# Altium PCB 6sPwr.PcbDoc (part 1 of 2) (continued)
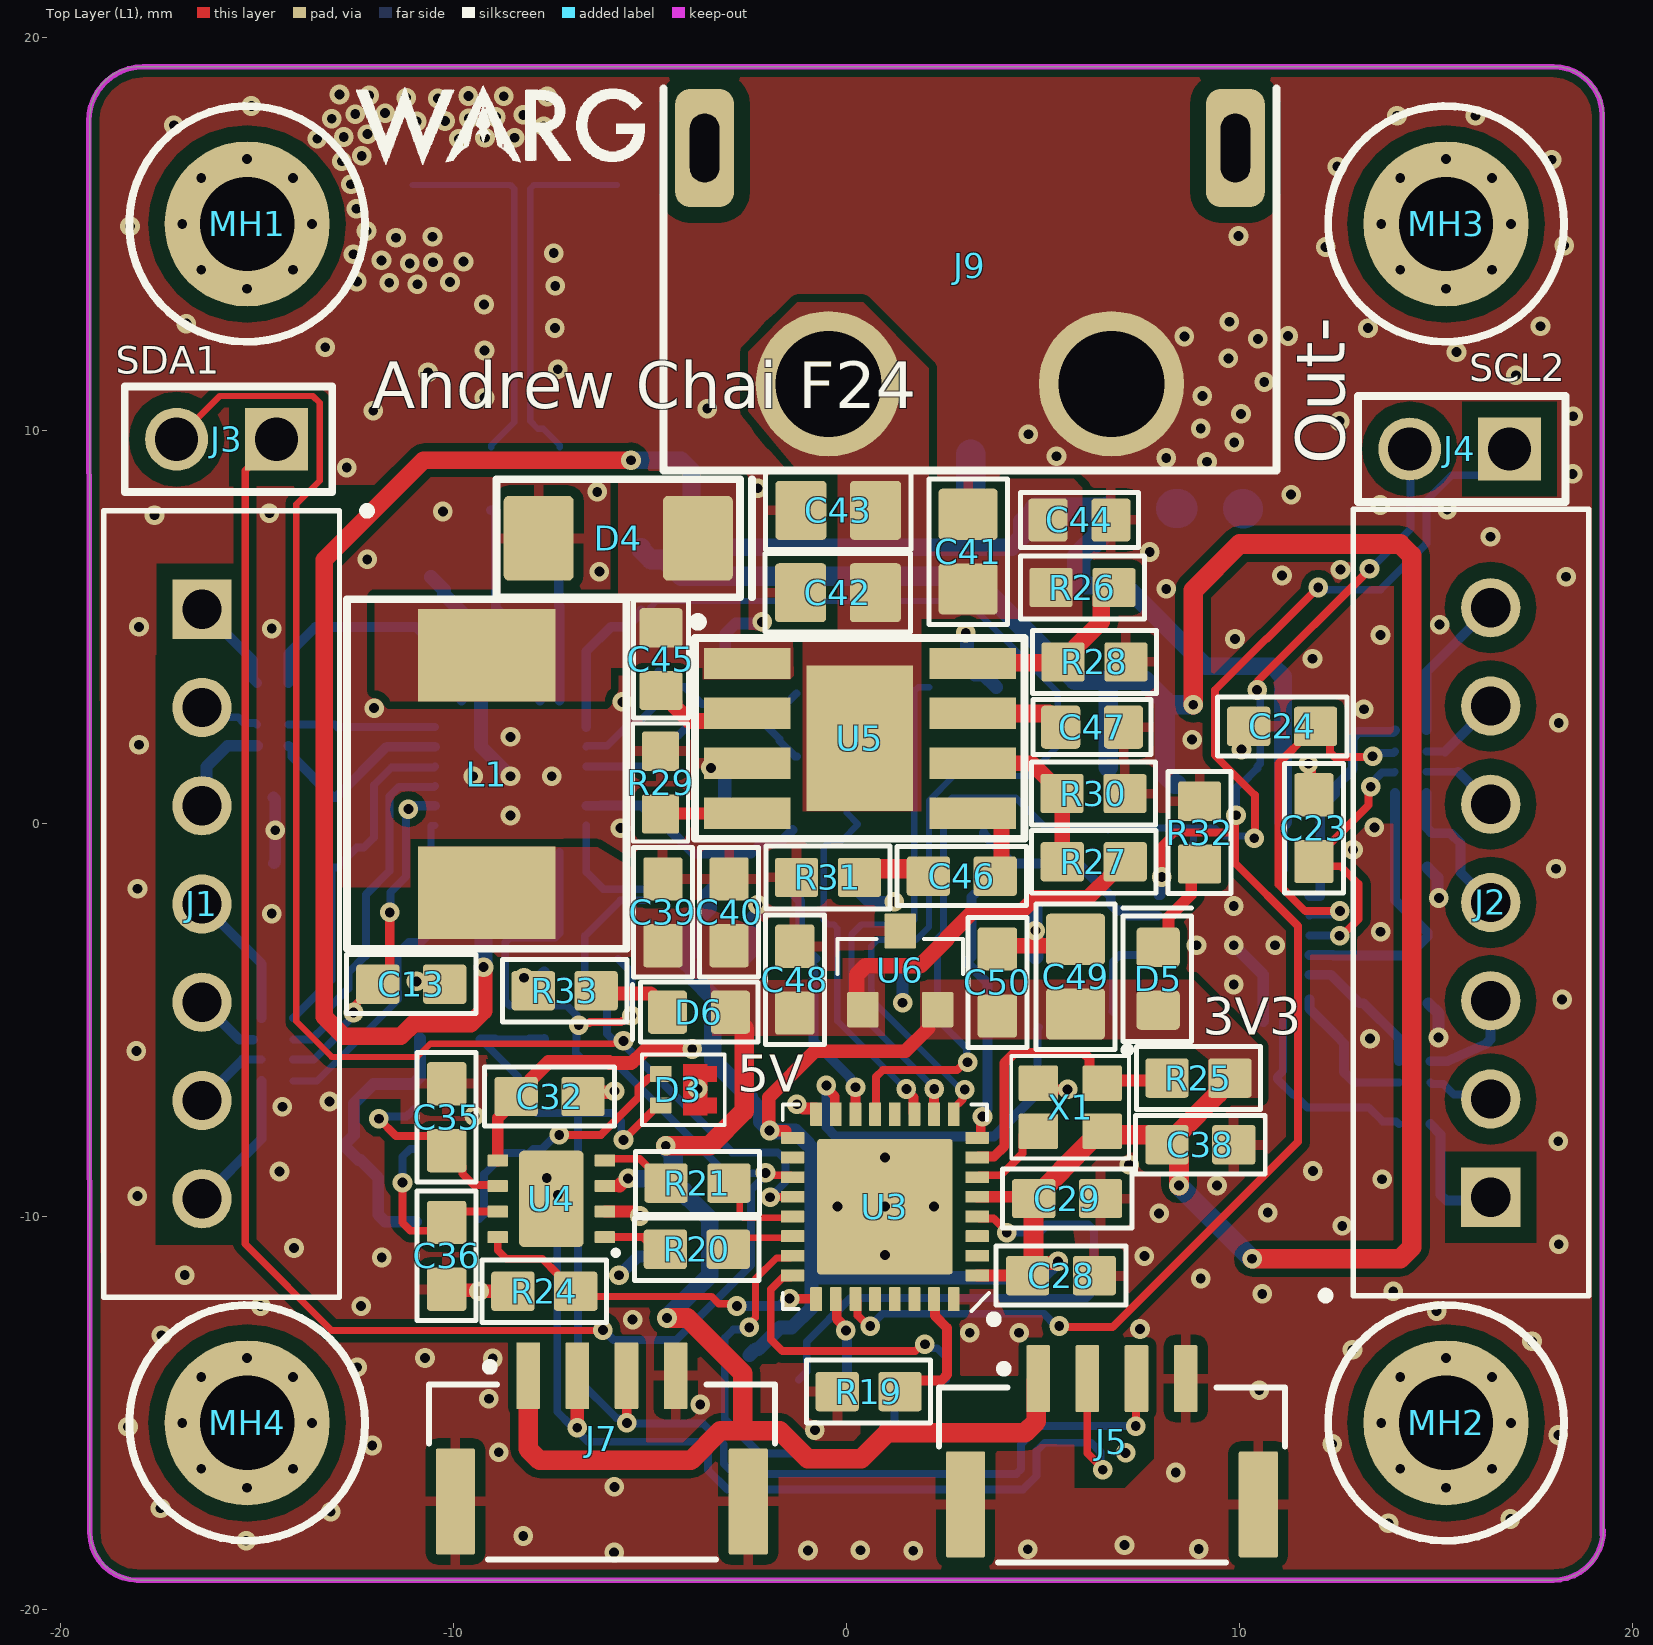
[diagram p0: Top Layer (L1) view]
## Components (designator, comment, footprint, x,y, rotation, side; value= is the part's Value field where it differs from the comment)
C1 "GRM188R6YA106MA73J" .CAP_0603-Footprint-1 7.526,8.01 r180 bottom value=10uF
C2 "GCM188R71C104KA37D" .CAP_0603-Footprint-1 -1.919,-3.436 r0 bottom value=0.1uF
C3 "GRT188R61H105KE13D" .CAP_0603-Footprint-1 -3.924,0.054 r180 bottom value=1uF
C4 "GCM188R71H104KA57D" CAP0603 -3.931,1.784 r180 bottom
C5 "GCM188R71C104KA37D" .CAP_0603-Footprint-1 0.291,-0.873 r90 bottom value=0.1uF
C6 "GCM188R71H104KA57D" CAP0603 -8.125,5.528 r0 bottom
C7 "UMK107B7474KA-TR" FP-0603-L_1_6_0_1-W_0_8_0-IPC_A -3.938,3.872 r180 bottom
C8 "GCM188R71C104KA37D" .CAP_0603-Footprint-1 2.955,3.465 r180 bottom value=0.1uF
C9 "GRT188R61H105KE13D" .CAP_0603-Footprint-1 -12.925,3.275 r270 bottom value=1uF
C10 "GRT188R61H105KE13D" .CAP_0603-Footprint-1 -13.727,0.656 r0 bottom value=1uF
C11 "GRT188R61H105KE13D" .CAP_0603-Footprint-1 -13.714,-1.015 r0 bottom value=1uF
C12 "GRT188R61H105KE13D" .CAP_0603-Footprint-1 -13.1,-3.4 r0 bottom value=1uF
C13 "GRT188R61H105KE13D" .CAP_0603-Footprint-1 -11.075,-4.09 r180 top value=1uF
C14 "GRT188R61H105KE13D" .CAP_0603-Footprint-1 -10.569,-2.997 r90 bottom value=1uF
C15 "GRT188R61H105KE13D" .CAP_0603-Footprint-1 -10.57,5.416 r270 bottom value=1uF
C16 "GRT188R61H105KE13D" .CAP_0603-Footprint-1 5.608,-1.844 r0 bottom value=1uF
C17 "GCM188R71C104KA37D" .CAP_0603-Footprint-1 2.314,-3.74 r0 bottom value=0.1uF
C18 "GCM188R71C104KA37D" .CAP_0603-Footprint-1 5.61,-3.488 r0 bottom value=0.1uF
C19 "GCM188R71C104KA37D" .CAP_0603-Footprint-1 5.528,-6.818 r180 bottom value=0.1uF
C20 "GRT188R61H105KE13D" .CAP_0603-Footprint-1 12.7,-7.225 r90 bottom value=1uF
C21 "GRT188R61H105KE13D" .CAP_0603-Footprint-1 13.953,-4.481 r180 bottom value=1uF
C22 "GRT188R61H105KE13D" .CAP_0603-Footprint-1 14.775,-1.975 r270 bottom value=1uF
C23 "GRT188R61H105KE13D" .CAP_0603-Footprint-1 11.889,-0.123 r270 top value=1uF
C24 "GRT188R61H105KE13D" .CAP_0603-Footprint-1 11.08,2.468 r0 top value=1uF
C25 "GRT188R61H105KE13D" .CAP_0603-Footprint-1 12.05,1.225 r270 bottom value=1uF
C26 "GRT188R61H105KE13D" .CAP_0603-Footprint-1 10.95,-7.3 r90 bottom value=1uF
C27 "GCM188R71C104KA37D" .CAP_0603-Footprint-1 -2.478,-6.151 r270 bottom value=100nF
C28 "GCM188R71C104KA37D" .CAP_0603-Footprint-1 5.455,-11.506 r180 top value=100nF
C29 "GRM188C81E475KE11D" .CAP_0603-Footprint-1 5.611,-9.544 r180 top value=4.7uF
C30 "CL10B104KA8NNNC" .CAP_0603-Footprint-1 5.075,-9.35 r270 bottom
C31 "CL10B104KA8NNNC" .CAP_0603-Footprint-1 -4.41,-9.968 r90 bottom
C32 "CL10B104KA8NNNC" .CAP_0603-Footprint-1 -7.556,-6.948 r180 top
C33 "CC0603JRNPO9BN220" .CAP_0603-Footprint-1 -7.692,-4.636 r270 bottom value=22pF
C34 "CC0603JRNPO9BN220" .CAP_0603-Footprint-1 -6.837,-10.329 r180 bottom value=22pF
C35 "CC0603JRNPO9BN220" .CAP_0603-Footprint-1 -10.175,-7.475 r270 top value=22pF
C36 "CC0603JRNPO9BN220" .CAP_0603-Footprint-1 -10.175,-11 r90 top value=22pF
C37 "GCM188R71H472KA37D" .CAP_0603-Footprint-1 -12.766,-9.014 r90 bottom value=4.7nF
C38 "CC0603KRX7R8BB103" .CAP_0603-Footprint-1 9,-8.175 r180 top
C39 "GCM188R71C104KA37D" .CAP_0603-Footprint-1 -4.672,-2.262 r270 top value=0.1uF
C40 "GRM188R61E106KA73J" .CAP_0603-Footprint-1 -2.99,-2.262 r270 top value=10uF
C41 "GRM21BR61H106KE43L" .CAP_0805-Footprint-1 3.09,6.914 r270 top value=10uF
C42 "GRM21BR61H106KE43L" .CAP_0805-Footprint-1 -0.22,5.868 r0 top value=10uF
C43 "GRM21BR61H106KE43L" .CAP_0805-Footprint-1 -0.213,7.964 r0 top value=10uF
C44 "GCM188R71H104KA57D" CAP0603 5.924,7.719 r180 top
C45 "GCM188R71H104KA57D" CAP0603 -4.723,4.179 r90 top
C46 "GCM188R72A332KA37D" .CAP_0603-Footprint-1 2.929,-1.342 r0 top value=3.3nF
C47 "GCM188R72A103KA37D" CAP0603 6.244,2.449 r180 top value=10nF
C48 "GRT188R61H105KE13D" .CAP_0603-Footprint-1 -1.318,-3.976 r270 top value=1uF
C49 "GRM21BR61H106KE43L" .CAP_0805-Footprint-1 5.824,-3.898 r270 top value=10uF
C50 "GCM188R71C104KA37D" .CAP_0603-Footprint-1 3.835,-4.047 r270 top value=0.1uF
D1 "MBR0540T1G" "Copy of .SCHOTTKY-Footprint-1" 3.154,11.03 r270 bottom
D2 "BZT52C30-13" BZT52C30-13-Footprint-1 7.553,6.053 r180 bottom
D3 "PESD2CANFD24U-QCZ" PESD2CANFD24U-QCZ-Footprint-1 -4.35,-6.775 r270 top
D4 "SK54A-LTP" DIOM4426X24N -5.809,7.254 r0 top
D5 "LTST-C191KGKT" .LED_0603-Footprint-1 7.925,-3.95 r90 top
D6 "LTST-C194TBKT" LTST-C194TBKT-Footprint-1 -3.756,-4.803 r180 top
FL1 "ACT1210D-510-2P-TL00" ACT1210D-510-2P-TL00-Footprint-1 -9.497,-7.781 r180 bottom
J1 "B7B-XH-A" B7B-XH-A -15.9,-2.05 r270 top
J2 "B7B-XH-A" B7B-XH-A 15.884,-2.012 r90 top
J3 "61300211121" 61300211121 -15.775,9.773 r180 top
J4 "61300211121" 61300211121 15.595,9.525 r180 top
J5 "SM04B-GHS-TB(LF)(SN)" CONN_SM04B-GHS-TB_JST 6.75,-16 r0 top
J6 "BM06B-GHS-TBT" BM06B-GHS-TBT-Footprint-1 0.655,-16.428 r180 bottom
J7 "SM04B-GHS-TB(LF)(SN)" CONN_SM04B-GHS-TB_JST -6.225,-15.926 r0 top
J8 "XT90_POWER_PAD" XT90_POWER_PAD-Footprint-1 3.192,16.112 r90 bottom
J9 "XT60PW-F" XT60PW-F-Footprint-1 3.138,11.18 r0 top
L1 "0630CDMCCDS-3R3MC" 0630CDMCCDS-3R3MC-Footprint-1 -9.153,1.256 r270 top
MH1 "M2HOLE-STANDARD" M2HOLE-STANDARD-Footprint-1 -15.25,15.25 r0 top
MH2 "M2HOLE-STANDARD" M2HOLE-STANDARD-Footprint-1 15.25,-15.25 r0 top
MH3 "M2HOLE-STANDARD" M2HOLE-STANDARD-Footprint-1 15.25,15.25 r0 top
MH4 "M2HOLE-STANDARD" M2HOLE-STANDARD-Footprint-1 -15.25,-15.25 r0 top
R1 "RC0603FR-07100RL" .RES_0603-Footprint-1#1 3.989,7.96 r0 bottom
R2 "AF0603FR-07330RL" .RES_0603-Footprint-1#1 -1.38,-0.969 r270 bottom value=330R
R3 "YC124JR-07100RL" .RES_0603-Footprint-1#2 -14.482,-5.755 r90 bottom value=100
R4 "RC0603JR-074K7L" .RES_0603-Footprint-1#1 -5.012,-3.448 r0 bottom value=4.7k
R5 "RC0603JR-074K7L" .RES_0603-Footprint-1#1 -3.993,-1.629 r0 bottom value=4.7k
R6 "AF0603FR-07330RL" .RES_0603-Footprint-1#1 -0.46,1.701 r0 bottom value=330R
R7 "YC124JR-07100RL" .RES_0603-Footprint-1#2 -14.6,2.775 r90 bottom value=100
R8 "AF0603FR-07330RL" .RES_0603-Footprint-1#1 -0.476,3.309 r0 bottom value=330R
R9 "RC0603FR-071KL" .RES_0603-Footprint-1#1 -9.043,8.766 r270 bottom value=1k
R10 "RC0603FR-071KL" .RES_0603-Footprint-1#1 -7.297,8.77 r270 bottom value=1k
R11 "RC0603FR-103K3L" .RES_0603-Footprint-1#1 -5.225,6.213 r90 bottom value=3k3
R12 "CSS2H-2512R-1L00F" .RES_0603-Footprint-1#3 -8.444,16.239 r0 bottom value=0.001
R13 "YC124JR-07100RL" .RES_0603-Footprint-1#2 14.35,1.57 r270 bottom value=100
R14 "AF0603FR-07330RL" .RES_0603-Footprint-1#1 3.259,-0.997 r270 bottom value=330R
R15 "RC0603JR-074K7L" .RES_0603-Footprint-1#1 6.653,0.631 r90 bottom value=4.7k
R16 "RC0603JR-074K7L" .RES_0603-Footprint-1#1 9.2,1 r180 bottom value=4.7k
R17 "AF0603FR-07330RL" .RES_0603-Footprint-1#1 5.697,-5.187 r180 bottom value=330R
R18 "YC124JR-07100RL" .RES_0603-Footprint-1#2 14.45,-6.85 r270 bottom value=100
R19 "RC0603FR-0710KL" .RES_0603-Footprint-1#1 0.56,-14.455 r0 top value=10k
R20 "RC0603FR-0710RL" .RES_0603-Footprint-1#1 -3.811,-10.833 r0 top value=10
R21 "RC0603FR-0710RL" .RES_0603-Footprint-1#1 -3.793,-9.151 r0 top value=10
R22 "RC0603FR-1360R4L" RES0603 -10.111,-5.495 r0 bottom value=60.4R
R23 "RC0603FR-1360R4L" RES0603 -10.153,-10.133 r0 bottom value=60.4R
R24 "RC0603FR-0710KL" .RES_0603-Footprint-1#1 -7.69,-11.902 r0 top value=10k
R25 "RC0603FR-0710KL" .RES_0603-Footprint-1#1 8.95,-6.48 r0 top value=10k
R26 "RC0603FR-0756K2L" .RES_0603-Footprint-1#1 6,6 r180 top value=56.2K
R27 "RC0603FR-0754K9L" .RES_0603-Footprint-1#1 6.287,-0.977 r0 top
R28 "RC0603FR-0710KL" .RES_0603-Footprint-1#1 6.305,4.107 r180 top value=10k
R29 "RC0603FR-0747KL" RC0603FR-0756K2L-Footprint-1 -4.733,1.039 r270 top value=47k
R30 "RC0603FR-0710KL" .RES_0603-Footprint-1#1 6.28,0.759 r180 top value=10k
R31 "RC0603FR-072K2L" .RES_0603-Footprint-1#1 -0.475,-1.375 r0 top value=2.2k
R32 "RC0603FR-07200RL" .RES_0603-Footprint-1#4 8.978,-0.234 r270 top
R33 "RC0603FR-07634RL" .RES_0603-Footprint-1#1 -7.171,-4.256 r0 top value=634
U1 "BQ76925RGER" QFN50P400X400X100_HS-25N -8.55,1.2 r0 bottom
U2 "BQ76925RGER" QFN50P400X400X100_HS-25N 9.85,-3.1 r180 bottom
U3 "STM32L431KCU6" STM32L431KCU6-Footprint-1 0.975,-9.75 r180 top
U4 "TJA1051TK/3,118" TJA1051TK_3,118-Footprint-1 -7.512,-9.55 r180 top
U5 "AOZ1284PI" AOZ1284PI-Footprint-1 0.338,2.162 r270 top
U6 "AP7375-33SA-7" AP7375-33SA-7-Footprint-1 1.365,-3.738 r0 top
X1 "ASDDV-8.000MHZ-LR-T" ASDDV-8.000MHZ-LR-T-Footprint-1 5.689,-7.222 r180 top

## Footprints (in the part's own frame and the unit in brackets; to place one, negate y for a bottom-side part, rotate by r counter-clockwise, add the part's x,y. Pads: shape width x height; smd on the part's side, far side on the other; paste and mask are expansions set on the pad)
0630CDMCCDS-3R3MC-Footprint-1 [mm]
  rect 2.35x3.5 smd: 1(-3.025,0) 2(3.025,0)
  silkscreen extent -4.45,-3.56 4.45,3.56, body extent -3.58,-3.4 3.58,3.4, height 3.05
61300211121 [mm] "Pin Header, pitch 2.54 mm, THT, Vertical, single row, 2p"
  rect 1.6x1.6 hole 1.1: 1(-1.27,0)
  round 1.6 hole 1.1: 2(1.27,0)
  silkscreen extent -2.69,-1.35 2.59,1.35, body extent -2.54,-1.27 2.54,1.27, height 8.55
.CAP_0603-Footprint-1 [mm]
  rrect15% 1.1x1 smd: 1(-0.85,0) 2(0.85,0)
  silkscreen extent -1.65,-0.75 1.65,0.75, body extent -0.87,-0.45 0.87,0.5, height 0.87
.CAP_0805-Footprint-1 [mm]
  rrect15% 1.3x1.5 smd: 1(-0.95,0) 2(0.95,0)
  silkscreen extent -1.85,-1 1.85,1, body extent -1.1,-0.7 1.1,0.75, height 1.39
.LED_0603-Footprint-1 [mm]
  rrect20% 1x1.1 smd: 1(-0.8,0) 2(0.8,0)
  silkscreen extent -1.6,-0.85 1.8,0.9, body extent -0.81,-0.4 0.81,0.4, height 0.6
.RES_0603-Footprint-1#1 [mm]
  rrect15% 1.1x1 smd: 1(-0.8,0) 2(0.8,0)
  silkscreen extent -1.58,-0.8 1.58,0.8, body extent -0.8,-0.4 0.8,0.4, height 0.46
.RES_0603-Footprint-1#2 [mm]
  rrect15% 0.45x0.45 smd mask+0.05: 1(-0.8,-0.4) 2(-0.8,0.4) 7(0.8,-0.4) 8(0.8,0.4)
  rrect15% 0.35x0.45 smd mask+0.05: 3(-0.255,-0.4) 4(-0.255,0.4) 5(0.255,-0.397) 6(0.255,0.407)
  silkscreen extent -1.26,-0.86 1.12,0.72, body extent -1,-0.5 1,0.5, height 0.55
.RES_0603-Footprint-1#3 [mm]
  rrect15% 1.8x3.4 smd: 1(-2.6,0) 2(2.6,0)
  silkscreen extent -3.7,-1.9 3.7,1.9, body extent -3.24,-1.61 3.24,1.61, height 0.86
.RES_0603-Footprint-1#4 [mm]
  rrect15% 1x1.1 smd: 1(-0.8,0) 2(0.8,0)
  silkscreen extent -1.55,-0.8 1.55,0.8, body extent -0.8,-0.4 0.8,0.4, height 0.46
ACT1210D-510-2P-TL00-Footprint-1 [mm]
  rrect10% 1.05x0.6 smd: 1(-1.525,0.5) 2(-1.525,-0.5) 3(1.525,-0.5) 4(1.525,0.5)
  silkscreen extent -1.6,-1.4 1.6,1.4, body extent -1.95,-1.25 1.95,1.25, height 2.5
AOZ1284PI-Footprint-1 [mm]
  rect 3.7x2.71 smd: 0(0,0)
  rect 0.8x2.2 smd: 1(-1.905,-2.87) 2(-0.635,-2.87) 3(0.635,-2.87) 4(1.905,-2.87) 5(1.905,2.87) 6(0.635,2.87) 7(-0.635,2.87) 8(-1.905,2.87)
  silkscreen extent -3.06,-4.22 2.55,4.19, body extent -2.45,-3 2.45,3, height 1.7
AP7375-33SA-7-Footprint-1 [mm] "IC REG LIN 3.3V 300MA SOT23-3"
  rrect10% 0.8x0.9 smd mask+0.05: 1(-0.95,-1) 2(0.95,-1) 3(0,1)
  silkscreen extent -1.6,-0.1 1.6,0.8, body extent -1.5,-1.24 1.5,1.24, height 1.09
ASDDV-8.000MHZ-LR-T-Footprint-1 [mm]
  rrect10% 1x0.9 smd: 1(-0.813,-0.613) 2(0.813,-0.613) 3(0.813,0.613) 4(-0.813,0.613)
  silkscreen extent -1.53,-1.54 1.5,1.3, body extent -1.25,-1 1.25,1, height 0.91
B7B-XH-A [mm]
  rect 1.508x1.508 hole 1: 1(-7.5,-0.5)
  round 1.508 hole 1: 2(-5,-0.5) 3(-2.5,-0.5) 4(0,-0.5) 5(2.5,-0.5) 6(5,-0.5) 7(7.5,-0.5)
  silkscreen extent -10.1,-3 10,3.8, body extent -9.95,-2.88 9.95,2.88, height 7
BM06B-GHS-TBT-Footprint-1 [mil]
  rrect10% 26x71 smd paste+0: 1(123.03,91.58) 2(73.82,91.58) 3(24.61,91.58) 4(-24.61,91.58) 5(-73.82,91.58) 6(-123.03,91.58)
  rrect10% 39x110 smd paste-55: 7(-195.87,-40.31) 8(195.87,-40.31)
  silkscreen extent -216,-89 260,95, body extent -212,-84 212,111, height 166
BZT52C30-13-Footprint-1 [mm]
  rect 0.9x0.95 smd: 1(-1.8,0) 2(1.8,0)
  silkscreen extent -2.77,-0.92 2.5,0.8, body extent -1.93,-0.69 1.92,0.66, height 0.81
CAP0603 [mm] "Generic CAP 0603 Footprint"
  rrect20% 1x1.1 smd: 1(-0.8,0) 2(0.8,0)
  silkscreen extent -1.5,-0.7 1.5,0.7, body extent -0.88,-0.48 0.88,0.47, height 0.87
CONN_SM04B-GHS-TB_JST [mm]
  rrect10% 0.6x1.7 smd: 1(-1.875,1.876) 2(-0.625,1.876) 3(0.625,1.876) 4(1.875,1.876)
  rrect10% 1x2.7 smd: 5(-3.725,-1.324) 6(3.725,-1.324)
  silkscreen extent -4.4,-2.8 4.4,2.22, body extent -4.13,-2.55 4.13,2.3, height 4.25
"Copy of .SCHOTTKY-Footprint-1" [mm]
  rect 0.91x1.22 smd: 1(-1.635,0) 2(1.635,0)
  body extent -1.93,-0.9 1.93,0.9, height 1.35
DIOM4426X24N [mm] "Molded Diode, 2-Leads, Body 4.38x2.59mm, IPC Medium Density"
  rrect15% 1.78x2.16 smd: 1(-2.025,0) 2(2.025,0)
  silkscreen extent -3.1,-1.5 3.4,1.5, body extent -2.6,-1.29 2.6,1.29, height 2.44
FP-0603-L_1_6_0_1-W_0_8_0-IPC_A [mm]
  rrect15% 1.1x1 smd: 1(-0.85,0) 2(0.85,0)
  silkscreen extent -1.65,-0.75 1.65,0.75, body extent -0.87,-0.45 0.87,0.5, height 0.87
LTST-C194TBKT-Footprint-1 [mm]
  rrect20% 1x1.1 smd: 1(-0.8,0) 2(0.8,0)
  silkscreen extent -1.51,-0.76 1.69,0.76, body extent -0.81,-0.4 0.81,0.4, height 0.6
M2HOLE-STANDARD-Footprint-1 [mm]
  round 4.2 hole 2.4: 1(0,0)
  silkscreen extent -3,-3 3,3
PESD2CANFD24U-QCZ-Footprint-1 [mm]
  rrect10% 0.4x0.55 smd: 1(0.4,-0.375) 2(-0.4,-0.375)
  round 0.025 smd: 3(0,0.5)
  Top Layer (L1) region: -0.6,1.05 -0.6,0.8 -0.65,0.8 -0.65,0.2 0.65,0.2 0.65,0.8 0.6,0.8 0.6,1.05 0.2,1.05 0.2,0.8 -0.2,0.8 -0.2,1.05
  silkscreen extent -0.9,-0.85 0.9,1.25, body extent -0.7,-0.4 0.7,0.82, height 1.59
QFN50P400X400X100_HS-25N [mm] "QFN, 24-Leads, Body 4.00x4.00mm, Pitch 0.50mm, Thermal Pad 2.63x2.63mm, IPC Medium Density"
  rect 0.85x0.25 smd mask+0.075: 1(-1.925,1.25) 2(-1.925,0.75) 3(-1.925,0.25) 4(-1.925,-0.25) 5(-1.925,-0.75) 6(-1.925,-1.25) 13(1.925,-1.25) 14(1.925,-0.75) 15(1.925,-0.25) 16(1.925,0.25) 17(1.925,0.75) 18(1.925,1.25)
  rect 0.25x0.85 smd mask+0.075: 7(-1.25,-1.925) 8(-0.75,-1.925) 9(-0.25,-1.925) 10(0.25,-1.925) 11(0.75,-1.925) 12(1.25,-1.925) 19(1.25,1.925) 20(0.75,1.925) 21(0.25,1.925) 22(-0.25,1.925) 23(-0.75,1.925) 24(-1.25,1.925)
  rect 2.63x2.63 smd mask+0.075: 25(0,0)
  silkscreen extent -2.97,-2.2 2.2,2.2, body extent -2.1,-2.1 2.1,2.1, height 1
RC0603FR-0756K2L-Footprint-1 [mm]
  rrect15% 1x0.95 smd: 1(-0.8,0) 2(0.8,0)
  silkscreen extent -1.5,-0.7 1.5,0.7, body extent -0.8,-0.4 0.8,0.4, height 0.46
RES0603 [mm] "SMT Resistor 0603"
  rrect15% 1x1.1 smd: 1(-0.8,0) 2(0.8,0)
  silkscreen extent -1.5,-0.7 1.5,0.7, body extent -0.8,-0.4 0.8,0.4, height 0.46
STM32L431KCU6-Footprint-1 [mm]
  rrect10% 0.6x0.3 smd: 1(-2.35,1.75) 2(-2.35,1.25) 3(-2.35,0.75) 4(-2.35,0.25) 5(-2.35,-0.25) 6(-2.35,-0.75) 7(-2.35,-1.25) 8(-2.35,-1.75) 17(2.35,-1.75) 18(2.35,-1.25) 19(2.35,-0.75) 20(2.35,-0.25) 21(2.35,0.25) 22(2.35,0.75) 23(2.35,1.25) 24(2.35,1.75)
  rrect10% 0.3x0.6 smd: 9(-1.75,-2.35) 10(-1.25,-2.35) 11(-0.75,-2.35) 12(-0.25,-2.35) 13(0.25,-2.35) 14(0.75,-2.35) 15(1.25,-2.35) 16(1.75,-2.35) 25(1.75,2.35) 26(1.25,2.35) 27(0.75,2.35) 28(0.25,2.35) 29(-0.25,2.35) 30(-0.75,2.35) 31(-1.25,2.35) 32(-1.75,2.35)
  rrect5% 3.45x3.45 smd paste-2539.97: 33(0,0)
  silkscreen extent -2.87,-2.6 2.6,2.96, body extent -2.5,-2.5 2.5,2.5, height 0.61
TJA1051TK_3,118-Footprint-1 [mm]
  rrect15% 0.525x0.3 smd: 1(-1.362,0.975) 2(-1.362,0.325) 3(-1.362,-0.325) 4(-1.362,-0.975) 5(1.362,-0.975) 6(1.362,-0.325) 7(1.362,0.325) 8(1.362,0.975)
  rrect15% 1.65x2.45 smd: 9(0,0)
  silkscreen extent -1.7,1.31 -1.57,1.44, body extent -1.5,-1.5 1.5,1.5, height 1.01
XT60PW-F-Footprint-1 [mm] "XT60PW-F-Footprint-1"
  round 3.7 hole 2.7: 1(-3.6,0) 2(3.6,0)
  rrect50% 1.5x3 hole 0.75 slot 1.75 at 90 deg: MH0(-6.75,6) MH1(6.75,6)
  silkscreen extent -7.8,-2.2 7.8,7.52, body extent -7.75,-1.8 7.75,15.4, height 8.4
XT90_POWER_PAD-Footprint-1 [mm]
  rect 4.5x4.5 smd: 1(0,3.25) 2(0,-3.25)
  silkscreen extent -2.75,-6 2.75,6

## Part data
C1: library part CMP-001-00087-1, "Ceramic Capacitor, Multilayer, Ceramic, 35V, 20% +Tol, 20% -Tol, X5R, 15% TC, 10uF, Surface Mount, 0603", Capacitor Type=Ceramic, Case/Package=0603, Max Operating Temperature=85°C, Min Operating Temperature=-55°C, Package Shape=Rectangular, Rated DC Voltage (URdc)=35V, Temperature Characteristics Code=X5R, Tolerance  (fill in as +-)=20%, Dielectric Material=Ceramic, JESD-609 Code=e3, Mounting Technology="Surface Mount", Multilayer=Yes, Packaging="Tape and Reel", Pins=2, Reach SVHC Compliant=Yes, RoHS Compliant=Yes, Terminal Finish=Nickel, Termination=Wraparound, Tolerance (fill in as +-)=20%
C2 C5 C8 C17 C18 C19 C39 C50: library part CMP-001-00020-5, "CAP CER 0.1uF 16V X7R 0603", Capactitance=0.1uF, Package=0603, Temperature Coefficient=X7R, Voltage=16V
C3 C9 C10 C11 C12 C13 C14 C15 C16 C20 C21 C22 C23 C24 C25 C26 C48: library part CMP-00096-3, "CAP CER 1UF 50V X5R 0603", Capacitance=1uF, Capacitor Type=Ceramic, Case/Package=0603, Dielectric=X5R, Rated DC Voltage (URdc)=50V, Tolerance=10%, Mount="Surface Mount", Temperature Characteristics Code=X5R, Voltage Rating=50V
C4 C6 C44 C45: library part CMP-00047-2, "CAP CER 0.1uF 50V X7R 0603", Capacitance=0.1uF, Case Code (Imperial)=0603, Dielectric=X7R, Tolerance=10%, Voltage=50V, Mount="Surface Mount"
C7: library part CMP-00012-3, "0603 0.47 uF 50 V ±10% Tolerance X7R Multilayer Ceramic Capacitor", Capacitance=470nF, Case Code (Imperial)=0603, Case Code (Metric)=1608, Dielectric=X7R, Max Operating Temperature=125°C, Min Operating Temperature=-55°C, Package Quantity=1, Tolerance=10%, Voltage=50V, Case/Package=0603, Construction=Flat, Depth=0.8mm, Halogen Free="Halogen Free", Height=0.8mm, Lead Free="Lead Free", Length=1.6mm, Mount="Surface Mount", Packaging="Tape and Reel", Radiation Hardening=No, RoHS Compliant=Yes, Series=M, Termination=SMD/SMT, Thickness=0.035inch, Voltage Rating=50V, Voltage Rating (DC)=50V, Width=0.031inch
C27 C28: library part CMP-001-00003-8, "CAP CER 100nF 16V X7R 0603", Capacitance=100nF, Package=0603, Voltage=16V
C29: library part CMP-001-00002-10, "CAP CER 4.7uF 25V X6S 0603", Capacitance=4.7uF, Dielectric=X6S, Package=0603, Voltage=25V
C30 C31 C32: library part CMP-00057-2, "CAP CER 0.1UF 25V X7R 0603", Capacitance=100nF, Case/Package=0603, Dielectric=X7R, Tolerance=10%, Voltage Rating=25V
C33 C34 C35 C36: library part CMP-00246-2, "CAP CER 22PF 50V C0G/NPO 0603", Case/Package=0603, Temperature Coefficient=C0G,NP0, Tolerance=5%, Voltage Rating=50V
C37: library part CMP-001-00080-1, "CAP CER 4700PF 50V X7R 0603", Capacitor Type=Ceramic, Case/Package=0603, Max Operating Temperature=125°C, Min Operating Temperature=-55°C, Package Shape=Rectangular, Package Style=SMTMeter, Rated DC Voltage (URdc)=50V, Temperature Characteristics Code=X7R, Tolerance  (fill in as +-)=10%, Dielectric Material=Ceramic, Height=0.9mm, JESD-609 Code=e3, Length=1.6mm, Mounting Technology="Surface Mount", Multilayer=Yes, Packaging="Tape and Reel", Pins=2, Reach SVHC Compliant=Yes, Reference Standard=AEC-Q200, RoHS Compliant=Yes, Terminal Finish=Nickel, Termination=Wraparound, Tolerance (fill in as +-)=10%, Width=0.8mm
C38: library part CMP-00217-1, "CAP CER 10nF 25V X7R 0603", Capacitance=10nF, Package=0603, Temperature Coefficient=X7R, Voltage Rating=25V
C40: library part CMP-00056-4, "CAP CER 10UF 25V X5R 0603", Case/Package=0603, Temperature Coefficient=X5R, Voltage Rating=25V
C41 C42 C43 C49: library part CMP-001-00009-4, "CAP CER 10uF 50V X5R 0805", Capacitance=10uF, Dielectric=X5R, Package=0805, Voltage=50V, Voltage Rating=50V
C46: library part CMP-001-00086-1, "Ceramic Capacitor, Multilayer, Ceramic, 100V, 10% +Tol, 10% -Tol, X7R, 15% TC, 0.0033uF, Surface Mount, 0603", Capacitor Type=Ceramic, Case/Package=0603, Max Operating Temperature=125°C, Min Operating Temperature=-55°C, Package Shape=Rectangular, Package Style=SMTMeter, Rated DC Voltage (URdc)=100V, Temperature Characteristics Code=X7R, Tolerance  (fill in as +-)=10%, Dielectric Material=Ceramic, Height=0.9mm, JESD-609 Code=e3, Length=1.6mm, Mounting Technology="Surface Mount", Multilayer=Yes, Packaging="Tape and Reel", Pins=2, Reach SVHC Compliant=Yes, Reference Standard=AEC-Q200, RoHS Compliant=Yes, Terminal Finish=Nickel, Termination=Wraparound, Tolerance (fill in as +-)=10%, Width=0.8mm
C47: library part CMP-00247-1, "CAP CER 10000PF 100V X7R 0603", Rated DC Voltage (URdc)=100V, Temperature Characteristics Code=X7R, Tolerance=10%
D1: library part CMP-004-00020-1, "DIODE SCHOTTKY 40V 500MA SOD123", Forward Voltage=620mV, Max Operating Temperature=150°C, Max Output current=500mA, Min Operating Temperature=-55°C, Non-rep Pk Forward Current-Max=5.5A, Package Body Material=Plastic, Package Shape=Rectangular, Package Style="SMALL OUTLINEMeter", Peak Reflow Temperature (Cel)=260°C, Rep Pk Reverse Voltage-Max=40V, Time @ Peak Reflow Temperature-Max (s)=40s, Additional Feature="FREE WHEELING DIODE", Diode Element Material=SILICON, Diode Type=RECTIFIER, JESD-30 Code=R-PDSO-G2, JESD-609 Code=e3, Moisture Sensitivity Level=1, Number of Elements=1, Pins=2, Qualification Status="Not Qualified", Reach SVHC Compliant=Yes, RoHS Compliant=Yes, Surface Mount=Yes, Technology=SCHOTTKY, Terminal Finish=Tin, Terminal Form="Gull Wing", Terminal Position=DUAL
D2: library part CMP-004-00021-1, "Zener Diode, 30V V(Z), 6.67%, 0.5W, Silicon, Unidirectional", Max Operating Temperature=150°C, Max Power Dissipation=500mW, Min Operating Temperature=-65°C, Package Body Material=Plastic, Package Shape=Rectangular, Package Style="SMALL OUTLINEMeter", Peak Reflow Temperature (Cel)=235°C, Reference Voltage-Nom=30V, Test Current=2mA, Time @ Peak Reflow Temperature-Max (s)=10s, Voltage Tol-Max=6.67%, Diode Element Material=SILICON, Diode Type=ZENER, JESD-30 Code=R-PDSO-G2, JESD-609 Code=e0, Number of Elements=1, Pins=2, Polarity=Unidirectional, Qualification Status="Not Qualified", RoHS Compliant=No, Surface Mount=Yes, Technology=ZENER, Terminal Finish=Tin, Terminal Form="Gull Wing", Terminal Position=DUAL
D3: library part CMP-00239-5, "TVS DIODE 24VWM 43VC DFN1412D-3"
D4: library part CMP-00102-3, "Diode Schottky 40V 5A 2-Pin SMA T/R", Average Rectified Current=5A, Case/Package=SMA, Max Reverse Voltage (DC)=40V
D5: library part CMP-001-00018-6, "LED GREEN 2V 0603", Case/Package=0603, Color=Green, Forward Current=20mA, Forward Voltage=2V
D6: library part CMP-00017-2, "LED BLUE CLEAR 0603 SMD", Case Code (Imperial)=0603, Case Code (Metric)=1608, Color=Blue, Forward Current=20mA, Forward Voltage=2.8V, Lens Color=Colorless, Max Operating Temperature=80°C, Min Operating Temperature=-20°C, Package Quantity=5000, Power Dissipation=76mW, Reverse Voltage=5V, Test Current=5mA, Voltage=29V, Case/Package=0603, Depth=0.8mm, Dominant Wavelength=473nm, Height=0.65mm, Illumination Color=Blue, Lead Free="Lead Free", Length=1.6mm, Lens Size=0.8mm, Lens Style=Flat,Diffused,Colorless,Rectangular, Lens Transparency=Clear, Luminous Intensity=15mcd, Mount="Surface Mount", Number of Elements=1, Number of LEDs=1, Number of Pins=2, Packaging="Tape and Reel", Radiation Hardening=No, RoHS Compliant=Yes, Series=-, Viewing Angle=130°, Width=0.8mm
FL1: library part CMP-00243-2, "CMC 50UH 115MA 2LN 2.3KOHM SMD"
J1 J2: library part CMP-002-00021-4, "Header B7B-XH-A, 2.50mm, 7-contacts, top entry, THT /500/box", Package=None, Check_prices=https://www.snapeda.com/parts/S5B-XH-A/JST+Sales+America+Inc./view-part/?ref=eda, Component Type=Standard, Design Item ID=B7B-XH-A, MF="JST Sales", MP=B7B-XH-A, Pin Count=7
J3 J4: library part CMP-00165-2, "CONN HEADER VERT 2POS 2.54MM", Operating Temperature Range="-40°C ~ 105°C", Mounting Type=TH
J5 J7: library part CMP-068-000000-3, "Conn Shrouded Header HDR 4 POS 1.25mm Solder RA SMD Reel", Mfr_Name=JST, Design Item ID=SM04B-GHS-TB(LF)(SN), RefDes=RefDes, Source=SM04B-GHS-TB_LF__SN_.SchLib, Type=Type
J6: library part CMP-002-00014-7, "Connector Header Surface Mount 6 position 0.049\" (1.25mm)", Mfr Name=JST, Design Item ID=BM06B-GHS-TBT
J8: library part CMP-001-0016-1, "XT90_POWER_PAD, 4.5mm Square Pad, 6.5mm Pitch"
J9: library part CMP-00086-5, "Board Mount XT60PW-F 2 Pin Female Connector", Manufacturer=TME
L1: library part CMP-006-00015-1, "General Purpose Inductor, 3.3uH, 20%, 1 Element, SMD", Current=8.4A, DC Resistance=22m, Inductance=3.3uH, Inductor Type="GENERAL PURPOSE INDUCTOR", Saturation Current=11.4A, Tolerance="+/- 20%", RoHS Compliant=Yes
MH1 MH2 MH3 MH4: library part CMP-00092-5, "RFC in progress (Dimensions currently unapproved)", Annular Ring Diameter=4.2mm, Through Hole Diameter=2.4mm
R1: library part CMP-00022-3, "RES 100 OHM 1% 1/10W 0603", Case Code (Imperial)=0603, Case Code (Metric)=1608, Max Operating Temperature=155°C, Max Power Dissipation=100mW, Min Operating Temperature=-55°C, Power Rating=1/10W, Resistance=100, Resistance Tolerance=1%, Resistor Type="Thick Film", Temperature Coefficient=100ppm/°C, Voltage Rating=50V, Case/Package=0603, Construction=Rectangular, Depth=0.8mm, Features="Moisture Resistant", Height=0.45mm, Lead Free="Lead Free", Length=1.6mm, Military Standard=Not, Number of Pins=2, Number of Terminations=2, Packaging="Tape and Reel", REACH SVHC=Unknown, RoHS Compliant=Yes, Series=RC, Size Code=0603, Technology="THICK FILM", Termination=SMD/SMT, Tolerance=1%, Voltage Rating (DC)=50V, Width=0.8mm
R2 R6 R8 R14 R17: library part CMP-009-00099-1, "Fixed Resistor, Metal Glaze/thick Film, 0.1W, 330ohm, 75V, 1% +/-Tol, 100ppm/Cel, Surface Mount, 0603", Case/Package=0603, Max Operating Temperature=155°C, Min Operating Temperature=-55°C, Package Height=0.45mm, Package Length=1.6mm, Package Style=SMTMeter, Package Width=0.8mm, Power=1/10W, Rated Temperature=70°C, Resistance=330, Resistor Type="FIXED RESISTOR", Temperature Coefficient=100ppm/°C, Tolerance=1%, Working Voltage=75V, Additional Feature=ANTI-SULFUR, Construction=Rectangular, Mounting Technology="Surface Mount", Package=0603, Packaging="Tape and Reel", Pins=2, Reach SVHC Compliant=Yes, Reference Standard=AEC-Q200, RoHS Compliant=Yes, Termination=Wraparound
R3 R7 R13 R18: library part CMP-009-00095-1, "YC124 Series 4 Elements 100 Ohms 5 % Case 4 x 0402 SMD Chip Resistor Network", Package=0804, Power=62.5mW, Resistance=100, Tolerance=5%
R4 R5 R15 R16: library part CMP-009-00019-3, "RES 4.7K OHM 5% 1/10W 0603", Case/Package=0603, Power Rating=1/10W, Resistance=4.7k, Resistance Tolerance=5%, Voltage Rating (DC)=50V
R9 R10: library part CMP-009-00012-3, "RES 1k OHM 1% 1/10W 0603", Case/Package=0603, Power=1/10W, Tolerance=1%
R11: library part CMP-00168-2, "RES 3.3K OHM 1% 1/10W 0603", Case/Package=0603, Power=1/10W, Rated Temperature=70°C, Tolerance=1%, Working Voltage=75V
R12: library part CMP-009-00094-1, "Fixed Resistor, Metal Strip, 5W, 0.001ohm, 1% +/-Tol, 50ppm/Cel, Surface Mount, 2512", Case/Package=2512, Max Operating Temperature=170°C, Min Operating Temperature=-55°C, Package Height=0.42mm, Package Length=6.35mm, Package Shape=Rectangular, Package Style=SMTMeter, Package Width=3.05mm, Power=5W, Resistance=0.001, Resistor Type="FIXED RESISTOR", Temperature Coefficient=50ppm/°C, Tolerance=1%, Construction=Rectangular, Package=2512, Packaging="Tape and Reel", Pins=2, Reach SVHC Compliant=Yes, RoHS Compliant=Yes, Technology="METAL ALLOY"
R19 R24 R25 R28 R30: library part CMP-009-00006-4, "RES 10K OHM 1% 1/10W 0603", Package=0603, Power=1/10W, Resistance=10k, Tolerance=1%
R20 R21: library part CMP-009-00084-1, "RES 10 OHM 1% 1/10W 0603", Package=0603, Power=1/10W, Resistance=10, Tolerance=1%
R22 R23: library part CMP-00245-1, "RES 60.4 OHM 1% 1/10W 0603", Power=100mW, Tolerance=1%
R26: library part CMP-009-00046-1, "RES 56.2K OHM 1% 1/10W 0603", Package=0603, Power=1/10W, Resistance=56.2k, Tolerance=1%
R27: library part CMP-001-00025-1, "RES 54.9k OHM 1% 1/10@ 0603", Case/Package=0603, Power Rating=1/10W, Resistance=54.9k, Tolerance=1%, Voltage Rating=50V
R29: library part CMP-009-00091-1, "RES 47K OHM 1% 1/10W 0603", Case/Package=0603, Max Operating Temperature=155°C, Min Operating Temperature=-55°C, Package Height=0.45mm, Package Length=1.6mm, Package Shape=Rectangular, Package Style=SMTMeter, Package Width=0.8mm, Power=1/10W, Rated Temperature=70°C, Resistor Type="FIXED RESISTOR", Temperature Coefficient=100ppm/°C, Tolerance=1%, Working Voltage=75V, Additional Feature="LASER TRIMMABLE", Construction=Chip, JESD-609 Code=e3, Mounting Technology="Surface Mount", Packaging="Tape and Reel", Pins=2, Reach SVHC Compliant=Yes, RoHS Compliant=Yes, Technology="METAL GLAZE/THICK FILM", Terminal Finish=Nickel, Termination=Wraparound
R31: library part CMP-009-00022-2, "RES 2.2K OHM 0603 1/10W", Case/Package=0603, Max Power Dissipation=1/10W, Resistance Tolerance=1%, Voltage Rating=50V
R32: library part CMP-00103-1, "RES 200 OHM 1% 1/10W 0603", Case/Package=0603, Power Rating=100mW, Resistance=200, Tolerance=1%, Voltage Rating=50V
R33: library part CMP-00251-1, "RES 634 OHM 1% 1/10W 0603", Case/Package=0603, Power=100mW, Tolerance=1%
U1 U2: library part CMP-00274-1, "Power Supply Support Circuit, Adjustable, 1 Channel, PQCC24", Case/Package=HVQCCN, Max Operating Temperature=85°C, Max Supply Voltage=26.4V, Min Operating Temperature=-25°C, Min Supply Voltage=4.2V, Nominal Supply Voltage=21.6V, Package Body Material=Plastic, Package Equivalence Code=LCC24,.16SQ,20, Package Shape=Square, Package Style="CHIP CARRIER, HEAT SINK/SLUG, VERY THIN PROFILEMeter", Peak Reflow Temperature (Cel)=260°C, Power Supplies=4.2/26.4V, Supply Current-Max (Isup)=48uA, Temperature Grade=OTHER, Adjustable Threshold=Yes, Channels=1, Height - Seated (Max)=1mm, JESD-30 Code=R-PDSO-G20, JESD-609 Code=e4, Length=4mm, Moisture Sensitivity Level=2, Number of Channels=1, Pins=24, Qualification Status="Not Qualified", Reach SVHC Compliant=Yes, RoHS Compliant=Yes, Surface Mount=Yes, Terminal Finish=Nickel, Terminal Form="No Lead", Terminal Pitch=0.5mm, Terminal Position=QUAD, Throw Configuration="POWER SUPPLY SUPPORT CIRCUIT", Width=4mm
U3: library part CMP-00224-5, "IC MCU 32BIT 256KB FLSH 32UFQFPN"
U4: library part CMP-00219-3, "IC TRANSCEIVER HALF 1/1 8HVSON"
U5: library part CMP-00257-2, "IC REG BUCK ADJUSTABLE 4A 8SO", Manufacturer 1="Alpha & Omega Semiconductor Inc.", Supplier Part Number 1=785-1689-1-ND, Manufacturer Part Number 1=AOZ1284PI, Supplier 1=Digikey
U6: library part CMP-002-000009-1, "IC REG LIN 3.3V 300MA SOT23-3", Current - Output=300mA, Current - Quiescent (Iq)="5 µA", Operating Temperature="-40°C ~ 125°C (TJ)", Supplier Device Package=SOT-23-3, Voltage - Input (Max)=45V, Voltage - Output (Min/Fixed)=3.3V, Voltage Dropout (Max)="0.36V @ 100mA", Output Type=Fixed
X1: library part CMP-00242-3, "OSC XO 8.000MHZ CMOS SMD", Frequence Stability=25ppm, Frequency=8MHz

## Via types
v1: diameter 0.5, hole 0.25, Top Layer (L1) to Bottom Layer (L4), tented both sides, 302 vias

## Nets (pads, with @x,y where several pads share a name; then routed paths per layer and width w, separated by ;. In a path a pad name is that pad's centre, name@x,y a point inside that pad or via, vN(x,y) a via of type N, cw(c..) or ccw(c..) an arc to the next point about the centre after c; other vN are vias at no path point)
+3V3: C27.2 C28.2 C29.2 C32.2 C38.2 C49.2 C50.2 D5.1 J6.1 R4.2 R5.2 R11.2 R15.2 R16.2 R25.2 U3.1 U3.5 U3.17 U4.5 U6.2 X1.4 | length 101.9
  Top Layer (L1) w0.3: U4.5@-8.874,-8.575 -8.874,-7.498 C32.2@-8.326,-6.949 ; v1(-1.958,-7.813) -1.549,-7.824 ; U3.1@3.325,-11.5 3.554,-11.5 4.45,-11.5 C28.2@4.525,-11.575 ; U3.5@3.325,-9.5 C29.2@4.625,-9.5
  Top Layer (L1) w0.35: C32.2@-8.406,-6.948 -8.356,-6.948 -8.031,-6.623 -8.031,-6.517 -7.587,-6.073 -6.044,-6.073 -6.019,-6.098 -5.476,-6.098 -5.378,-6 -5.36,-6 -5.11,-5.75 -3.937,-5.75 v1(-3.925,-5.738) ; v1@-1.98,-7.791 -1.98,-6.973 -0.802,-5.794 1.501,-5.794 2.09,-5.206 2.09,-4.963 U6.2@2.315,-4.738 ; C28.2@4.525,-11.575 4.754,-11.346 4.919,-11.181 5.204,-11.181 5.213,-11.172 5.347,-11.172 v1(5.376,-11.143)
  Top Layer (L1) w0.5: C28.2@4.754,-11.346 C29.2@4.754,-9.629 ; C29.2@4.765,-9.544 4.811,-9.544 5.061,-9.294 5.061,-9.248 5.473,-8.835 5.473,-8.813 X1.4@6.251,-8.034 ; X1.4@6.3,-7.925 7.9,-7.925 C38.2@8.15,-8.175 C38.2@8.2,-8.175 ; v1(8.457,-9.21) 8.457,-8.482 8.45,-8.475 8.45,-8.425 C38.2@8.2,-8.175 ; v1(8.818,3.019) 8.818,5.929 9.997,7.108 14.083,7.108 14.376,6.815 14.376,-10.784 14.083,-11.077 v1(10.315,-11.077) ; R25.2@9.75,-6.48 9.7,-6.48 9.45,-6.73 9.45,-6.875 8.45,-7.875 8.45,-7.925 C38.2@8.2,-8.175
  Bottom Layer (L4) w0.3: v1(-3.925,-5.738) -3.9,-5.713 -3.403,-5.713
  Bottom Layer (L4) w0.35: J6.1@-2.467,-13.528 -2.314,-13.375 -2.245,-13.375 -1.695,-12.825 -1.396,-12.825 -0.896,-12.325 -0.896,-11.56 ; -1.009,-8.135 -0.896,-8.248 -0.896,-11.56 ; v1(5.376,-11.143) 4.959,-11.56 -0.896,-11.56
  Bottom Layer (L4) w0.4: C27.2@-2.478,-7.001 -2.178,-7.301 -2.178,-7.593 -1.939,-7.832 -1.868,-7.832 -1.86,-7.84 -1.304,-7.84 -1.009,-8.135
  Bottom Layer (L4) w0.45: R4.2@-4.212,-3.448 R4.2@-4.162,-3.448 ; R5.2@-3.358,-1.676 -3.518,-1.837 -3.518,-2.148 -3.985,-2.615 -3.985,-3.272 R4.2@-4.162,-3.448 ; C27.2@-2.478,-7.001 -2.478,-6.951 -3.403,-6.026 -3.403,-5.713 -3.403,-4.415 -3.887,-3.931 -3.887,-3.723 R4.2@-4.162,-3.448
  Bottom Layer (L4) w0.5: R11.2@-5.225,7.013 -5.225,6.963 -4.975,6.713 -4.635,6.713 -4.211,6.289 3.166,6.289 5.812,3.643 6.63,3.643 ; R15.2@6.653,1.431 6.653,3.62 6.63,3.643 ; R16.2@8.4,1 8.35,1 8.1,1.25 8.1,3.034 ; v1(8.457,-9.21) 8.457,-9.218 v1(10.315,-11.077) ; v1(8.818,3.019) 8.115,3.019 8.1,3.034 ; 6.63,3.643 7.583,3.643 8.1,3.126 8.1,3.034
+5V2: C31.2 C39.2 C40.2 C48.2 D6.1 J5.1 J7.1 L1.2 R27.2 U4.3 U6.1 | length 41.8
  Top Layer (L1) w0.3: U4.3@-6.15,-9.225 -5.774,-9.225
  Top Layer (L1) w0.35: -5.774,-9.215 -5.589,-9.03 v1(-5.559,-9.03)
  Top Layer (L1) w0.4: U6.1@0.415,-4.738 0.255,-4.578 0.255,-3.854 0.49,-3.619 1.875,-3.619 2.56,-2.934 2.56,-2.9 3.218,-2.242 4.451,-2.242 4.795,-1.898 6.138,-1.898 6.737,-1.299 6.737,-1.277 7.037,-0.977 R27.2@7.087,-0.977
  Top Layer (L1) w0.5: J7.1@-8.1,-14.05 -8.1,-15.91 -7.807,-16.203 -3.961,-16.203 -3.208,-15.45 -2.638,-15.45 ; v1(-4.601,-8.201) -3.489,-8.201 -2.606,-7.318 D6.1@-2.606,-5.23 ; v1(-4.569,-12.581) -4.051,-12.581 -2.638,-13.993 -2.638,-15.45 ; J5.1@4.875,-14.124 4.825,-14.174 4.825,-15.213 4.532,-15.506 1.027,-15.506 0.374,-16.16 -0.992,-16.16 -1.702,-15.45 -2.638,-15.45
  Bottom Layer (L4) w0.45: v1(-5.559,-9.03) -5.549,-9.039 -4.683,-9.039 -4.683,-9.009 -4.408,-9.284 C31.2@-4.408,-9.32 ; v1(-4.569,-12.581) -4.569,-12.567 -3.878,-11.876 -3.861,-11.876 -3.485,-11.5 -3.485,-11.461 -3.483,-11.459 -3.483,-10.062 -4.011,-9.534 -4.044,-9.534 -4.16,-9.418 C31.2@-4.16,-9.362
  Bottom Layer (L4) w0.5: v1(-4.601,-8.201) -4.41,-8.392 -4.41,-9.112 C31.2@-4.16,-9.362
ADC_1_FILT: C2.2 R2.2 U3.14 | length 6.4
  Top Layer (L1) w0.25: U3.14@0.225,-7.4 0.226,-7.399 0.226,-6.712 v1(0.227,-6.711)
  Bottom Layer (L4) w0.25: R2.2@-1.38,-1.769 -1.18,-1.969 -1.18,-3.05 C2.2@-0.794,-3.436 ; C2.2@-1.069,-3.436 -0.84,-3.665 -0.84,-5.54 0.102,-6.481 0.102,-6.519 0.227,-6.644 v1(0.227,-6.711)
ADC_2_FILT: C17.2 R14.2 U3.8 | length 6.6
  Top Layer (L1) w0.25: U3.8@3.325,-8 3.385,-8 3.41,-7.975 3.41,-7.507 v1(3.458,-7.459)
  Bottom Layer (L4) w0.25: R14.2@3.259,-1.797 3.18,-1.876 3.18,-3.402 3.052,-3.53 3.582,-4.06 3.582,-7.268 3.458,-7.391 v1(3.458,-7.459)
ADC_REF_1: C3.2 R2.1 U1.17 | length 6
  Bottom Layer (L4) w0.25: U1.17@-6.623,0.45 -6.252,0.45 -6.249,0.452 -5.222,0.452 -4.859,0.09 C3.2@-4.773,0.09 ; R2.1@-1.38,-0.169 -1.657,-0.446 -2.109,-0.446 -2.433,-0.771 -3.899,-0.771 C3.2@-4.724,0.054 ; C3.2@-4.724,0.054 C3.2@-4.774,0.054 C3.2@-4.724,0.054
ADC_REF_2: C16.2 R14.1 U2.17 | length 5.5
  Bottom Layer (L4) w0.25: R14.1@3.49,-0.237 3.49,-0.287 4.221,-1.018 5.893,-1.018 6.718,-1.843 6.718,-2.054 6.883,-2.219 7.011,-2.219 7.03,-2.238 7.04,-2.238 7.154,-2.352 7.623,-2.352 7.625,-2.35 U2.17@7.923,-2.35
BATT_A_CELL0: J1.1 R7.7 | length 2.5
  Bottom Layer (L4) w0.25: J1.1@-16.4,5.45 -15.1,4.15 -15.1,3.675 R7.7@-15,3.575
BATT_A_CELL1: J1.2 R7.3 | length 1.6
  Bottom Layer (L4) w0.2: J1.2@-16.4,2.95 -16.15,2.7 -15.476,2.7 -15.331,2.555 -15.035,2.555 R7.3@-15,2.52
BATT_A_CELL2: J1.3 R7.1 | length 2.5
  Bottom Layer (L4) w0.3: J1.3@-16.4,0.45 -16.286,0.564 -16.286,1.439 -15.75,1.975 R7.1@-15,1.975
BATT_A_CELL3: J1.4 R3.7 | length 3.5
  Bottom Layer (L4) w0.25: J1.4@-16.4,-2.05 -14.882,-3.568 R3.7@-14.882,-4.955
BATT_A_CELL4: J1.5 R3.5 | length 1.7
  Bottom Layer (L4) w0.25: J1.5@-16.4,-4.55 -15.445,-5.505 -15.104,-5.505
BATT_A_CELL5: J1.6 R3.3 | length 1.9
  Bottom Layer (L4) w0.2: -15.36,-6.01 R3.3@-14.882,-6.01
  Bottom Layer (L4) w0.25: J1.6@-16.4,-7.05 -15.36,-6.01
BATT_A_CELL6: J1.7 R3.1 | length 3.6
  Bottom Layer (L4) w0.25: J1.7@-16.4,-9.55 -14.882,-8.032 R3.1@-14.882,-6.555
BATT_B_CELL0: J2.1 R18.7 | length 3.3
  Bottom Layer (L4) w0.25: R18.7@14.85,-7.65 15.111,-7.911 15.111,-9.449 15.257,-9.595 16.3,-9.595 J2.1@16.384,-9.512
BATT_B_CELL1: J2.2 R18.3 | length 1.7
  Bottom Layer (L4) w0.2: R18.3@14.85,-6.595 14.885,-6.63 15.181,-6.63 15.447,-6.896 15.928,-6.896 J2.2@16.017,-6.985
  Bottom Layer (L4) w0.25: J2.2@16.017,-6.985 16.044,-7.012 J2.2@16.384,-7.012
BATT_B_CELL2: J2.3 R18.1 | length 2.7
  Bottom Layer (L4) w0.25: R18.1@14.85,-6.05 15.29,-6.05 cw(c15.392,-6.278) 15.291,-6.049 16.264,-5.615 16.311,-5.568 16.384,-5.495 J2.3@16.384,-4.512
BATT_B_CELL3: J2.4 R13.7 | length 3.7
  Bottom Layer (L4) w0.25: R13.7@14.75,0.77 14.75,-0.104 14.896,-0.25 15.366,-0.25 15.62,-0.504 15.62,-1.247 J2.4@16.384,-2.012
BATT_B_CELL4: J2.5 R13.5 | length 2
  Bottom Layer (L4) w0.2: R13.5@14.747,1.315 15.557,1.315
  Bottom Layer (L4) w0.25: 15.557,1.315 J2.5@16.384,0.488
BATT_B_CELL5: J2.6 R13.3 | length 2.1
  Bottom Layer (L4) w0.2: R13.3@14.75,1.825 15.221,1.825
  Bottom Layer (L4) w0.25: 15.221,1.825 J2.6@16.384,2.988
BATT_B_CELL6: J2.7 R13.1 | length 3.8
  Bottom Layer (L4) w0.25: R13.1@14.75,2.37 14.75,3.854 J2.7@16.384,5.488
BOOT0: R19.2 U3.31 | length 3
  Top Layer (L1) w0.25: R19.2@1.705,-14.172 2.41,-14.172 2.556,-14.025 2.556,-12.832 2.25,-12.526 2.25,-12.389 2.25,-12.125 U3.31@2.225,-12.1
BST: C45.1 U5.2 | length 2.7
  Top Layer (L1) w0.4: C45.1@-4.723,3.379 -4.673,3.379 -4.373,3.079 -4.373,2.973 -4.138,2.739 -4.134,2.739 -3.997,2.603 -2.726,2.603 U5.2@-2.532,2.797
CAN1_RX: R21.2 U3.21 | length 2.3
  Top Layer (L1) w0.16: R21.2@-2.993,-9.151 -2.719,-9.425 -2.719,-9.94 -2.625,-10.033 -1.408,-10.033 U3.21@-1.375,-10
CAN1_TX: R20.2 U3.22 | length 2.1
  Top Layer (L1) w0.17: R20.2@-3.295,-10.818 -3.015,-10.538 -1.413,-10.538 U3.22@-1.375,-10.5
CAN_H: C34.2 D3.2 FL1.2 J5.2 J7.2 R23.2 | length 33.8
  Top Layer (L1) w0.2: v1(-7.31,-7.925) -6.252,-7.925 -5.3,-6.973 -5.3,-6.735 -5.04,-6.475 -4.825,-6.475 D3.2@-4.725,-6.375 ; J5.2@6.123,-14.126 6.123,-16.017 6.515,-16.409 v1(6.515,-16.445)
  Top Layer (L1) w0.35: v1(-6.851,-15.375) J7.2@-6.85,-14.05
  Bottom Layer (L4) w0.2: R23.2@-9.345,-10.069 -9.222,-9.946 -9.222,-8.923 -8.68,-8.381 -8.219,-8.381 FL1.2@-8.193,-8.408 ; C34.2@-7.687,-10.329 -7.363,-10.654 -7.363,-14.965 -7.01,-15.318 -6.908,-15.318 v1(-6.851,-15.375) ; C34.2@-7.683,-10.183 -7.856,-10.183 -8.109,-9.929 -8.109,-8.419 FL1.2@-7.972,-8.281 -7.747,-8.281 -7.39,-7.925 v1(-7.31,-7.925) ; v1@-6.851,-15.456 -6.578,-15.729 -3.755,-15.729 -3.524,-15.959 -3.524,-16.452 -3.03,-16.947 4.484,-16.947 4.835,-16.596 4.835,-15.959 5.04,-15.755 6.221,-15.755 6.458,-15.992 6.458,-16.387 v1(6.515,-16.445)